# Altium PCB 891-萱250721-1.pcbdoc (part 3 of 5)
Units mil, origin at the board's own origin, x right, y up, seen from the top; angles counter-clockwise.
Board outline 6501 x 4678 mil, 4 copper layers (TopLayer, MidLayer1, MidLayer2, BottomLayer); 362 components, 337 nets, 1348 pads, 1372 vias.
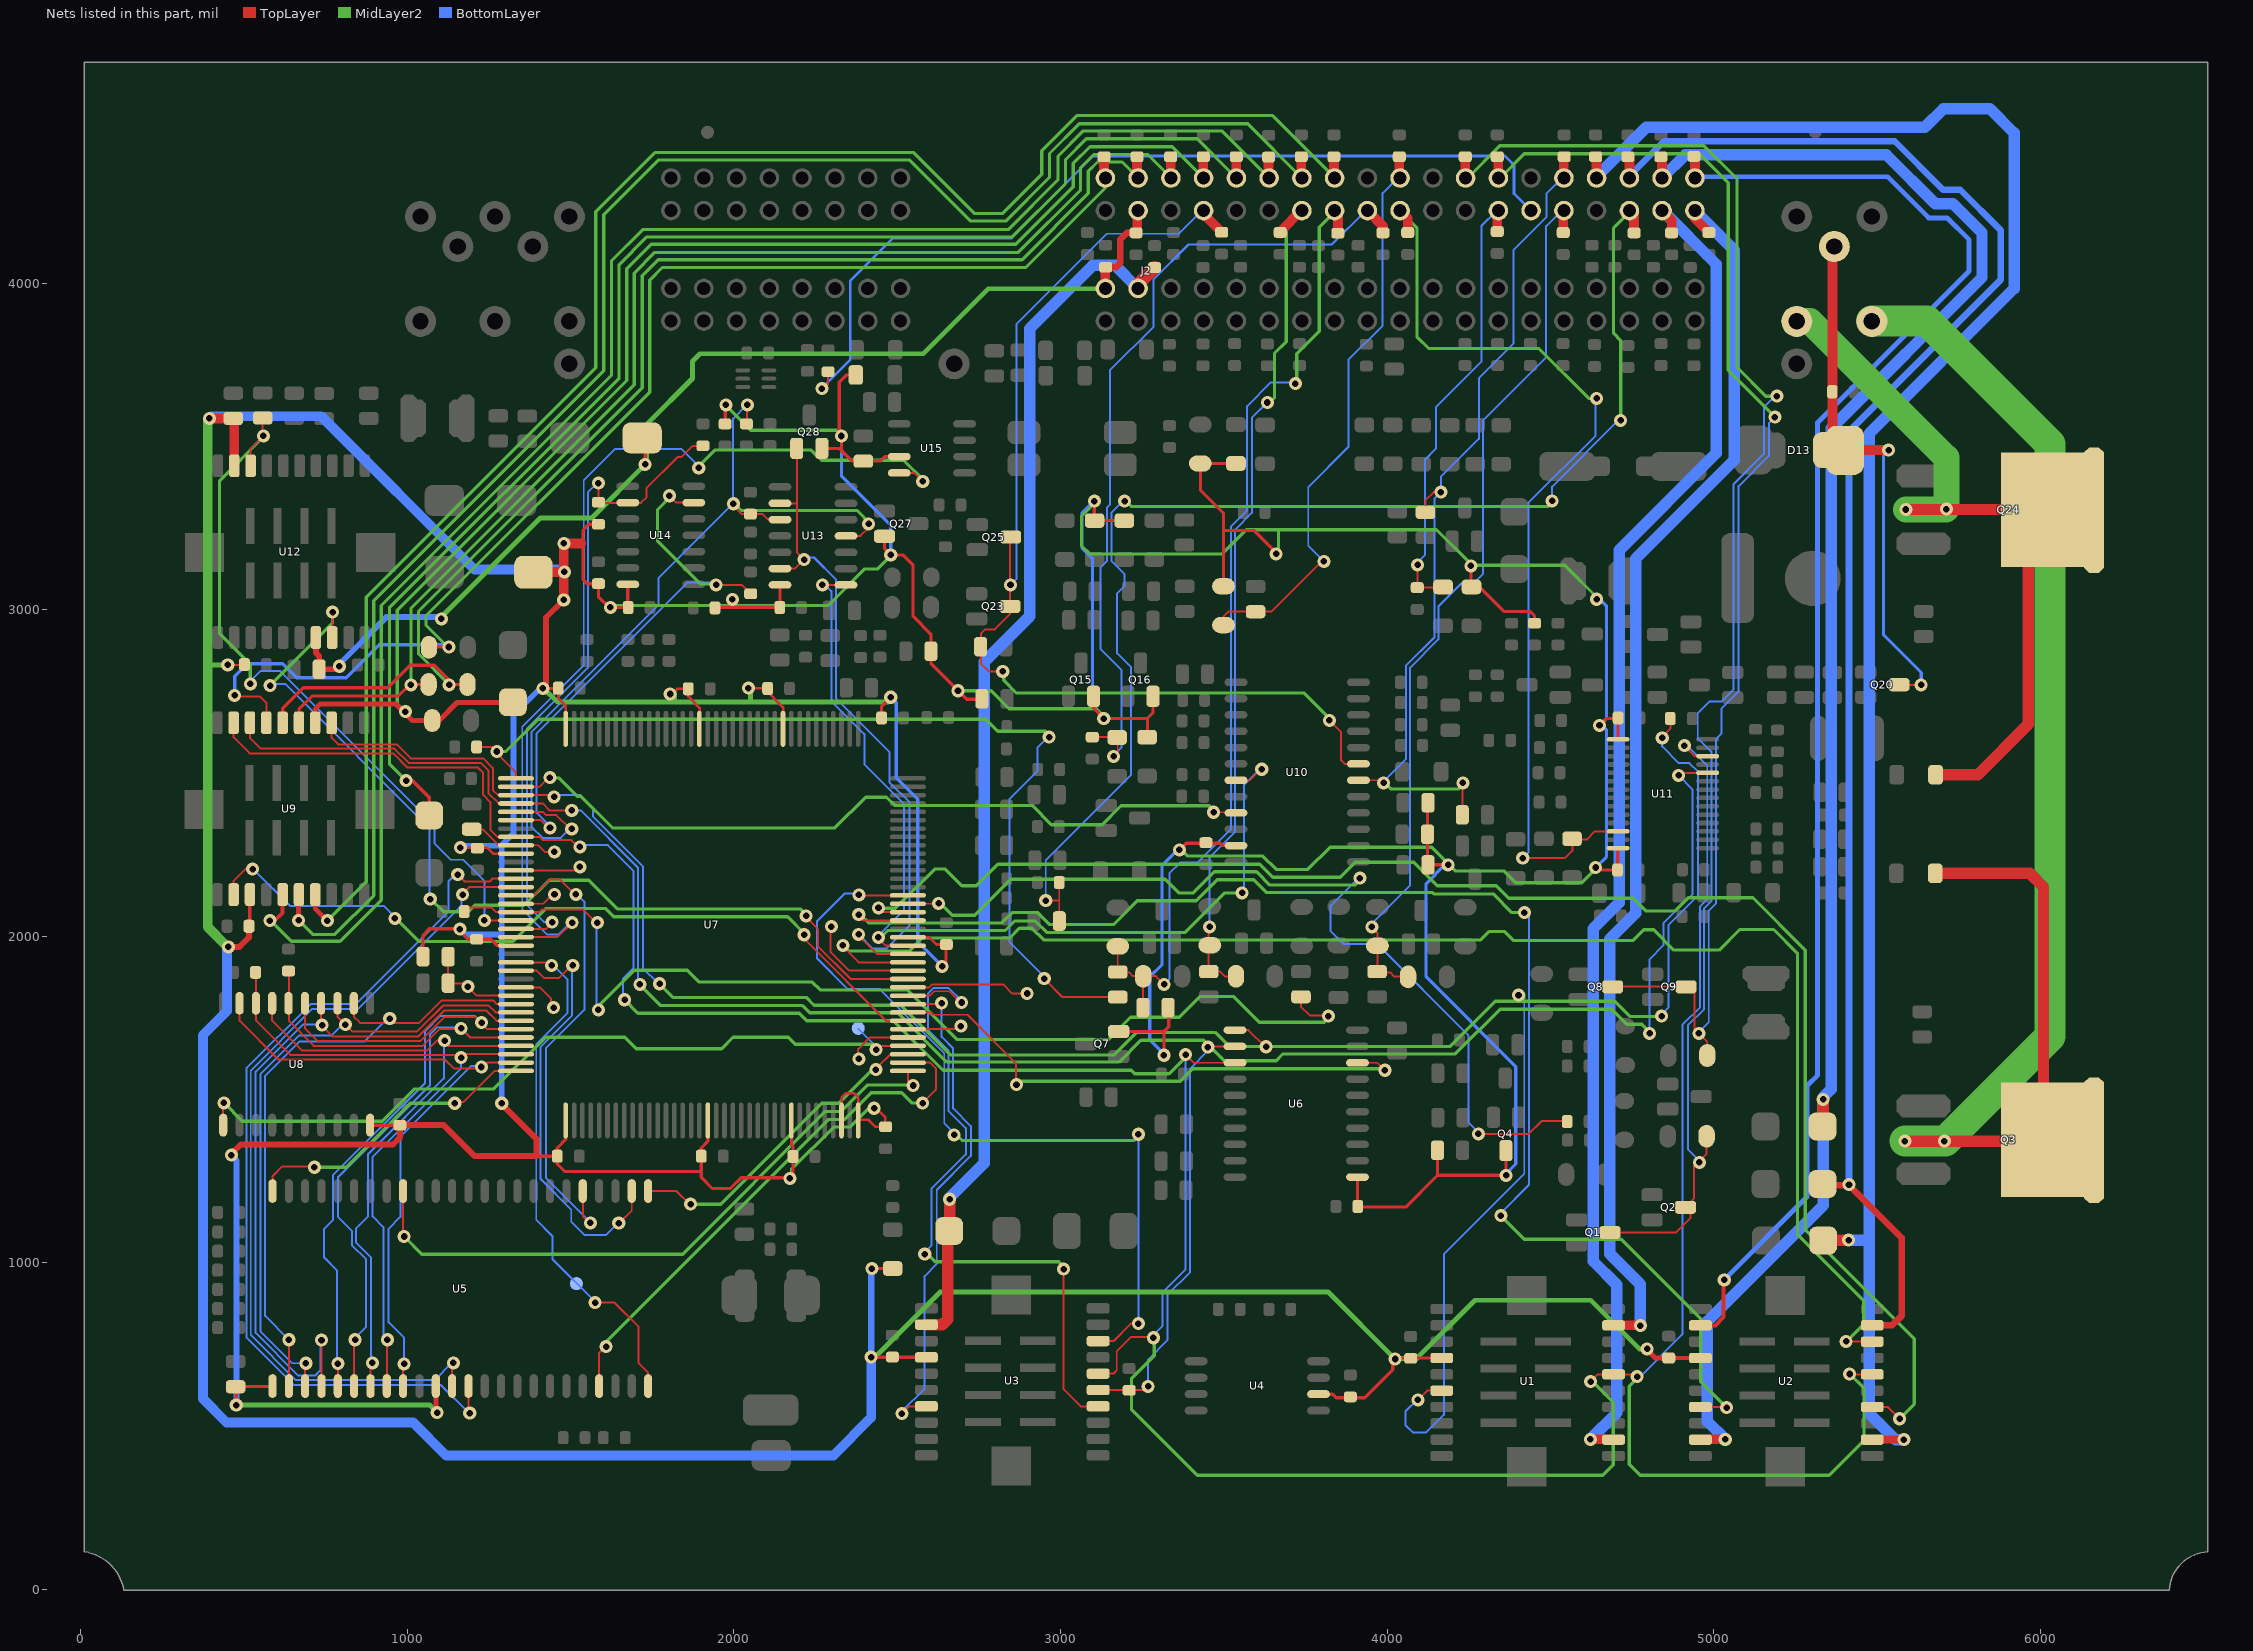
[diagram p5: the nets of this part, all layers, seen from the top]

## Via types
v1: diameter 40, hole 20, TopLayer to BottomLayer, 1372 vias

## Nets (pads, with @x,y where several pads share a name; then routed paths per layer and width w, separated by ;. In a path a pad name is that pad's centre, name@x,y a point inside that pad or via, vN(x,y) a via of type N, cw(c..) or ccw(c..) an arc to the next point about the centre after c; other vN are vias at no path point) (continued)
NewNet28: C103.1 D3.2 J2.37 U3.12 | length 3735.7
  TopLayer w35: U3.12@2589,811 2638,811 2655,828 2655,1102 2660,1107 v1(2660,1195)
  TopLayer w40: J2.37@3237.28,3984 3237.28,3997.28 C103.1@3288,4048
  BottomLayer w35: v1(2660,1195) 2660,1199.64 2766.24,1305.88 2766.24,2840.88 2905.41,2980.05 2905.41,3860.88 3098.74,4054.21 3167.06,4054.21 J2.37@3237.28,3984
NewNet29: C61.1 C78.1 C107.1 C115.2 J2.36 J2.64 U12.17 | length 3498
  TopLayer w10: C78.1@1719,3526 1728,3517 v1(1728,3445)
  TopLayer w18: U12.17@720,2915 720,2868 730,2858 C61.1@730,2818 783,2818 v1(792,2827)
  TopLayer w20: C107.1@3138,4049 3169.78,4049 3182.91,4062.13 3182.91,4133.8 3203.11,4154 C115.2@3231,4154
  TopLayer w30: J2.36@3137,3984 C107.1@3137,4048 ; C115.2@3231,4154 3234.58,4157.58 3234.58,4219.3 J2.64@3237.28,4222
  MidLayer2 w15: v1(1104,2972) 1104,2978 1407,3281 1564,3281 v1(1728,3445) 1733,3450 1733,3568 1873,3708 1873,3761 1896,3784 2579,3784 2778,3983 J2.36@3134,3983
  BottomLayer w18: v1(792,2827) 792,2834.14 935.41,2977.55 1098.45,2977.55 v1(1104,2972)
NewNet30: C123.2 J2.81 U1.9 | length 3826.8
  TopLayer w30: U1.9@4693,809 v1@4774,809 ; J2.81@4942,4222 4942,4198 C123.2@4985,4155
  BottomLayer w35: v1(4775,808) 4775,934.62 4681.24,1028.38 4681.24,1991.71 4760.41,2070.88 4760.41,3155.88 5062.91,3458.38 5062.91,4101.09 J2.81@4942,4222
NewNet31: C118.2 J2.80 U1.2 | length 4201.2
  TopLayer w30: v1(4622,460) U1.2@4692,460 ; J2.80@4841.72,4222 4871,4192.72 C118.2@4871,4154
  BottomLayer w35: v1(4622,460) 4702.91,540.91 4702.91,933.38 4630.41,1005.88 4630.41,2023.38 4710.41,2103.38 4710.41,3182.55 5007.08,3479.21 5007.08,4058.38 4843.46,4222 J2.80@4841.72,4222
NewNet32: C117.2 J2.79 R51.1 R56.1 | length 3961.1
  TopLayer w6: v1(2954.58,2109.21) 2994.99,2109.21 ; R51.1@2996,2047 2995.83,2047.17 2995.83,2164.83 R56.1@2996,2165
  TopLayer w30: J2.79@4741.44,4222 4756,4207.44 C117.2@4756,4154
  MidLayer2 w10: v1@3201,3333 3218,3316 4492,3316 v1@4510,3334 ; v1(4715,3580) 4715,3824 4693,3846 4693,4169 4741.44,4217.44 J2.79@4741.44,4222
  BottomLayer w6: v1(2954.58,2109.21) 2954.58,2233.38 3216.24,2495.05 3216.24,2823.38 3172.91,2866.71 3172.91,3050.05 3194.99,3072.13 3194.99,3110.05 3155.41,3149.63 3155.41,3297.55 3190.83,3332.96 v1(3196.24,3332.96) ; v1(4504.79,3333.17) 4504.79,3376.92 4707.86,3580 v1(4715,3580)
NewNet33: C122.2 J2.77 R36.2 R38.2 R48.1 | length 2769.5
  TopLayer w6: v1(3953,2029) 3953,2027.04 3970,2010.04 3970,1901.29 3981.66,1889.63 4008.74,1889.63 4021.66,1876.71 4063.29,1876.71 R38.2@4064,1876
  TopLayer w30: C122.2@4539,4155 4539,4220.11 J2.77@4540.89,4222
  BottomLayer w6: v1(3953,2029) 3953,2038.89 4069.99,2155.88 4069.99,2822.96 4156.66,2909.63 4156.66,3010.05 4227.49,3080.88 4264.99,3080.88 4293.74,3109.63 4293.74,3579.63 4486.66,3772.55 4486.66,4174.63 4534.03,4222 J2.77@4540.89,4222
NewNet34: J2.76 R153.1 | length 2795
  TopLayer w6: v1@2269,3671 2287.91,3689.91 2287.91,3728.91 R153.1@2288,3729
  BottomLayer w8: v1(2269.16,3677.13) 2269.16,3678.8 2356.24,3765.88 2356.24,4007.55 2485.83,4137.13 2847.91,4137.13 3099.99,4389.21 4360.41,4389.21 4388.33,4361.3 4388.33,4274.28 J2.76@4440.61,4222
NewNet35: C126.2 J2.75 R109.2 R117.1 | length 1399.9
  TopLayer w6: v1(4092.91,3137.13) 4092.91,3073.38 4097.49,3068.8 4169.8,3068.8 R109.2@4171,3070
  TopLayer w30: C126.2@4337,4158 4337,4218.67 J2.75@4340.33,4222
  BottomLayer w6: v1(4092.91,3137.13) 4092.91,3145.05 4115.83,3167.96 4115.83,3460.05 4148.74,3492.96 4148.74,3620.05 4288.33,3759.63 4288.33,4175.05 4335.28,4222 J2.75@4340.33,4222
NewNet36: C121.2 J2.72 R59.2 U11.12 | length 2955.9
  TopLayer w6: v1(4414.99,2239.63) 4543.33,2239.63 4567.49,2263.8 4567.49,2292.13 4571.66,2296.3 4610.41,2296.3 4635.62,2321.5 U11.12@4707,2321.5
  TopLayer w30: J2.72@4039.5,4222 4063,4198.5 C121.2@4063,4155
  MidLayer2 w10: J2.72@4039.5,4222 4039.5,4220.5 4091,4169 4091,3836 4127,3800 4464,3800 4617,3647 v1(4641,3647)
  BottomLayer w6: v1(4414.99,2239.63) 4432.08,2256.71 4432.08,3327.55 4637.91,3533.38 4637.91,3643.91 v1(4641,3647)
NewNet37: C116.2 J2.71 R77.1 R82.1 | length 2530.9
  TopLayer w6: R82.1@3097,2610 3164.21,2610 3174.99,2599.21 3174.99,2563.8 v1(3162.08,2550.88)
  TopLayer w30: J2.71@3939.22,4222 3987,4174.22 C116.2@3987,4154
  BottomLayer w6: v1(3162.08,2550.88) 3162.08,2555.05 3186.66,2579.63 3186.66,2815.05 3121.66,2880.05 3121.66,3129.21 3141.66,3149.21 3141.66,3312.55 3150.83,3321.71 3150.83,3733.38 3284.58,3867.13 3284.58,4011.3 3391.66,4118.38 3830.41,4118.38 3934.03,4222 J2.71@3939.22,4222
NewNet38: C114.2 J2.70 R31.1 R33.1 R39.1 R45.2 | length 3073.8
  TopLayer w6: R45.2@3174.99,1969.38 R33.1@3175,1891 3176.37,1889.63 3209.58,1889.63 3221.21,1878 3292,1878 v1(3317,1853) ; R31.1@3252,1782 3252,1877 R39.1@3253,1878
  TopLayer w30: J2.70@3838.94,4222 3849,4211.94 C114.2@3849,4153
  MidLayer2 w10: v1@3723,3689 3723,3784 3792,3853 3792,4171 3837.94,4216.94 J2.70@3837.94,4223
  BottomLayer w6: v1(3317,1853) 3332.91,1868.91 3332.91,2192.96 3365.83,2225.88 3418.74,2225.88 3522.08,2329.21 3522.08,3255.05 3571.24,3304.21 3571.24,3623.38 3644.16,3696.3 3714.99,3696.3 v1(3719.16,3692.13)
NewNet39: C124.2 J2.69 R34.2 R40.1 R50.1 | length 2642.1
  TopLayer w6: v1(3456,2029) 3453.33,2026.33 3453.33,1900.46 3461.66,1892.13 3488.33,1892.13 3503.74,1876.71 3535.71,1876.71 R40.1@3537,1878
  TopLayer w30: C124.2@3673,4152 3673,4158.47 3736.53,4222 J2.69@3738.67,4222
  MidLayer2 w10: v1@3638,3629 3638,3632 3655,3649 3655,3785 3691,3821 3691,4172 3737,4218 J2.69@3748,4218
  BottomLayer w6: v1(3456,2029) 3456,2241.89 3534.58,2320.46 3534.58,3245.26 3585.83,3296.51 3585.83,3587.55 v1(3632.91,3634.63)
NewNet40: C125.2 J2.66 Q23.3 Q25.3 R103.2 U10.7 | length 3420.3
  TopLayer w6: v1(2822.91,2811.3) 2779.99,2811.3 2756.24,2835.05 2756.24,2926.3 2769.99,2940.05 2798.74,2940.05 2844.99,2986.3 2844.99,3220.46 Q25.3@2854.58,3230.05 ; v1(3823,2661) 3859.16,2624.84 3859.16,2538.8 3869.96,2528 U10.7@3912,2528
  TopLayer w30: J2.66@3437.83,4222 3437.83,4211.79 3493,4156.62 C125.2@3493,4156
  MidLayer2 w10: v1@2826,2811 2826,2784 2865,2745 3746,2745 v1@3832,2659
  BottomLayer w6: v1(2846.66,3075.88) 2864.58,3093.8 2864.58,3874.21 3141.66,4151.3 3361.24,4151.3 3431.95,4222 J2.66@3437.83,4222
NewNet41: C142.1 J2.108 U2.12 | length 4675.6
  TopLayer w12: U2.12@4959,809 5005,809 5030,834 5030,946 v1(5032,948)
  TopLayer w30: J2.108@4942,4322 C142.1@4942,4385
  BottomLayer w15: J2.108@4942,4322 4945.88,4325.88 5532.08,4325.88 5657.91,4200.05 5714.16,4200.05 5781.66,4132.55 5781.66,4037.13 5317.91,3573.38 5317.91,1575.05 5286.24,1543.38 5286.24,1203.38 5032,949.14 v1(5032,948)
NewNet42: C141.1 D6.1 J2.107 U2.19 | length 5392.7
  TopLayer w30: J2.107@4841.72,4322 C141.1@4841.72,4383.28 ; U2.19@4960,460 v1(5035,460)
  TopLayer w35: D6.1@5335,1417.12 v1(5335,1501)
  BottomLayer w35: J2.107@4841.72,4322 4912.27,4392.55 5528.74,4392.55 5677.91,4243.38 5732.08,4243.38 5821.24,4154.21 5821.24,4017.55 5359.58,3555.88 5359.58,1532.55 5335,1507.97 5335,1176.3 4980.41,821.71 4980.41,514.59 v1(5035,460)
NewNet43: C140.1 D4.1 J2.106 U2.9 | length 5124.8
  TopLayer w20: D4.1@5332,1238 5414,1238 5575,1077 5575,838 5546,809 U2.9@5485,809
  TopLayer w30: J2.106@4741.44,4322 C140.1@4741.44,4382.56
  BottomLayer w20: J2.106@4741.44,4322 4741.44,4327.75 4847.91,4434.21 5553.74,4434.21 5702.08,4285.88 5754.58,4285.88 5877.91,4162.55 5877.91,4010.05 5414,3546.14 v1(5414,1240)
NewNet44: C139.1 D1.1 J2.105 U2.2 | length 5938.2
  TopLayer w25: U2.2@5485,459 v1(5582,459)
  TopLayer w30: J2.105@4641.17,4322 C139.1@4641.17,4383.83
  TopLayer w35: D1.1@5332.03,1070 v1(5413,1070)
  BottomLayer w35: J2.105@4641.17,4322 4641.17,4325.8 4792.91,4477.55 5646.24,4477.55 5702.91,4534.21 5845.41,4534.21 5919.58,4460.05 5919.58,3983.38 5475.41,3539.21 5475.41,540.05 5556.46,459 v1(5582,459) ; v1(5413,1070) 5467.96,1070
NewNet45: C138.1 J2.104 R70.2 R130.2 U10.6 | length 2676.8
  TopLayer w6: U10.6@3912,2478 3981,2478 v1(3989,2470) ; R130.2@4117,3298 4117,3334.97 4142.08,3360.05 v1(4164.58,3360.05) ; R70.2@4230,2372 4229.99,2468.38 v1(4231.66,2470.05)
  TopLayer w30: J2.104@4540.89,4322 C138.1@4540.89,4385.89
  MidLayer2 w10: v1@3994,2469 4012,2451 4218,2451 v1@4238,2471
  BottomLayer w6: v1@3989,2474.47 4057.49,2542.96 4057.49,2828.38 4144.16,2915.05 4144.16,3339.63 v1(4164.58,3360.05) 4164.58,3407.55 4280.41,3523.38 4280.41,3708.8 4387.08,3815.46 4387.08,4102.13 4488.33,4203.38 4488.33,4274.63 4535.7,4322 J2.104@4540.89,4322
NewNet46: C137.1 J2.102 Q8.3 Q9.3 R26.1 | length 4065.2
  TopLayer w6: Q8.3@4690,1845.5 4690.8,1846.3 4930.83,1846.3 4940.83,1836.3 4940.83,1716.71 4980,1677.54 R26.1@4980,1635
  TopLayer w30: J2.102@4340.33,4322 C137.1@4340.33,4383.67
  MidLayer2 w10: J2.102@4340.33,4322 4346,4322 4420,4396 4955,4396 5044,4307 5044,3734 5187,3591 v1(5187,3590)
  BottomLayer w6: v1(4954.58,1702.96) 4954.58,1706.71 4984.58,1736.71 4984.58,2078.38 5006.24,2100.05 5006.24,2603.8 5023.74,2621.3 5023.74,2697.96 5075.83,2750.05 5075.83,3378.38 5168.33,3470.88 5168.33,3571.33 v1(5187,3590)
NewNet47: C136.1 J2.101 Q1.3 Q2.3 R18.1 | length 4797.6
  TopLayer w6: Q1.3@4682,1093.5 4884.5,1093.5 4929,1138 4929,1154.5 Q2.3@4913,1170.5 4940,1197.5 4940,1297 4978,1335 R18.1@4978,1388
  TopLayer w30: C136.1@4239,4387 4239,4323.05 J2.101@4240.05,4322
  MidLayer2 w10: J2.101@4240.05,4322 4246,4322 4345,4421 4969,4421 5071,4319 5071,3742 5159,3654 v1(5193,3654)
  BottomLayer w6: v1(4956,1308) 4956,1313 4920.41,1348.59 4920.41,1727.55 4970.41,1777.55 4970.41,2086.09 4992.49,2108.17 4992.49,2565.46 4950.83,2607.13 4950.83,2683.38 4987.08,2719.63 5024.16,2719.63 5060.83,2756.3 5060.83,3385.05 5153.33,3477.55 5153.33,3620.46 5186.86,3654 v1(5193,3654)
NewNet48: C135.1 J2.99 R108.2 R115.1 | length 1783.7
  TopLayer w6: R108.2@3499,2953 3499,2979.89 3513.33,2994.21 3645.41,2994.21 3799.2,3148 v1(3806,3148)
  TopLayer w30: C135.1@4037,4387 4037,4324.5 J2.99@4039.5,4322
  BottomLayer w6: v1(3806,3148) 3758.33,3195.67 3758.33,3375.46 3881.24,3498.38 3881.24,3765.05 3986.24,3870.05 3986.24,4275.46 4032.78,4322 J2.99@4039.5,4322
NewNet49: C134.1 J2.97 U9.17 | length 5331.7
  TopLayer w15: U9.17@718,2128 718,2085 v1(755,2048)
  TopLayer w30: C134.1@3837,4387 3837,4323.94 J2.97@3838.94,4322
  MidLayer2 w10: v1(755,2048) 874,2167 874,3038 1577,3741 1577,4219 1758,4400 2550,4400 2737,4213 2822,4213 2942,4333 2942,4405 3050,4513 3649,4513 3837.94,4324.06 J2.97@3837.94,4323
NewNet50: C133.1 J2.96 U9.16 | length 5327.4
  TopLayer w15: v1(667,2049) U9.16@667,2119
  TopLayer w30: C133.1@3737,4387 3737,4323.67 J2.96@3738.67,4322
  MidLayer2 w10: v1(667,2049) 710,2006 778,2006 897,2125 897,3028 1601,3732 1601,4210 1768,4377 2538,4377 2725,4190 2832,4190 2966,4324 2966,4397 3057,4488 3573,4488 3737.67,4323.33 J2.96@3737.67,4323
NewNet51: C127.1 J2.95 U9.15 | length 5116.2
  TopLayer w12: v1(579,2048) 594,2048 617,2071 U9.15@617,2127
  TopLayer w30: C127.1@3637,4386 3637,4323.39 J2.95@3638.39,4322
  MidLayer2 w10: v1(579,2048) 582,2048 645,1985 794,1985 920,2111 920,3013 1625,3718 1625,4069 1720,4164 2840,4164 2992,4316 2992,4389 3069,4466 3494,4466 3637,4323 J2.95@3637.39,4323
NewNet52: C132.1 D8.1 J2.94 | length 4245.5
  TopLayer w12: v1(996,2477) 1015,2477 1067,2425 D8.1@1067,2370
  TopLayer w30: C132.1@3538,4387 3538,4322.11 J2.94@3538.11,4322
  MidLayer2 w10: v1(996,2477) 945,2528 945,3006 1648,3709 1648,4057 1732,4141 2851,4141 3015,4305 3015,4378 3079,4442 3418,4442 3537,4323 J2.94@3537.11,4323
NewNet53: C131.1 D10.1 J2.93 R87.2 U9.4 | length 4420.6
  TopLayer w15: U9.4@718,2654 718,2697 732,2711 965,2711 1015,2661 1097,2661 1152,2716 D10.1@1322,2716
  TopLayer w30: C131.1@3437,4387 3437,4322.83 J2.93@3437.83,4322
  MidLayer2 w10: v1(994,2688) 969,2713 969,2999 1672,3702 1672,4044 1747,4119 2863,4119 3039,4295 3039,4367 3090,4418 3342,4418 3436.83,4323.17 J2.93@3436.83,4323
NewNet54: C130.1 J2.92 R97.2 U9.5 | length 3942.8
  TopLayer w10: U9.5@668,2654 668,2696 708,2736 972,2736 1007,2771 R97.2@1065,2771
  TopLayer w30: C130.1@3337,4387 3337,4322.56 J2.92@3337.56,4322
  MidLayer2 w10: v1(1011,2770) 1011,3005 1695,3689 1695,4031 1758,4094 2871,4094 3061,4284 3061,4354 3101,4394 3267,4394 3336.56,4324.44 J2.92@3336.56,4323
NewNet55: C129.1 J2.91 R97.1 U9.6 | length 4061.3
  TopLayer w10: U9.6@618,2654 618,2698 681,2761 940,2761 1009,2830 1082,2830 1128,2784 v1(1128,2770) 1129,2771 R97.1@1184,2771
  TopLayer w30: C129.1@3234,4387 3234,4325.28 J2.91@3237.28,4322
  MidLayer2 w10: v1(1128,2770) 1128,2771 1034,2865 1034,2995 1719,3680 1719,4023 1768,4072 2882,4072 3085,4275 3085,4343 3113,4371 3188.28,4371 J2.91@3236.28,4323
NewNet56: C128.1 J2.90 R102.2 U9.7 | length 4068.5
  TopLayer w6: v1(471,2738) 475,2734 549,2734 568,2715 U9.7@568,2654
  TopLayer w10: R102.2@1067,2886 v1(1127,2886)
  TopLayer w30: C128.1@3133,4387 3133,4326 J2.90@3137,4322
  MidLayer2 w10: v1(1127,2886) 1123,2886 1057,2952 1057,2981 1742,3666 1742,4009 1781,4048 2894,4048 3136,4290 J2.90@3136,4323
  BottomLayer w10: v1(471,2738) 471,2796.47 509.58,2835.05 617.91,2835.05 661.24,2791.71 812.91,2791.71 913.74,2892.55 1120.45,2892.55 v1(1127,2886)
NewNet57: J2.110 Q24.2 R76.2 | length 2293.3
  TopLayer w35: v1(5588,3307) 6018,3307 Q24.2@6019,3306 ; R76.2@5679,2495 5808.7,2495 5962.91,2649.21 5962.91,3213.38 Q24.2@5987.91,3238.38
  MidLayer2 w80: J2.110@5253,3884 5294,3884 5712,3466 v1(5712,3308) 5711,3307 v1(5588,3307)
NewNet58: C87.1 D13.2 J2.112 Q20.3 | length 1628.9
  TopLayer w6: Q20.3@5565.36,2770 v1(5635,2770)
  TopLayer w30: J2.112@5369,4112 5363.74,4106.74 5363.74,3506.71 5381.46,3489 v1(5535,3489)
  BottomLayer w10: v1(5535,3489) 5519.58,3473.58 5519.58,2923.38 5635,2807.96 v1(5635,2770)
NewNet59: J2.114 Q3.2 R60.2 | length 4478.9
  TopLayer w35: v1(5585,1373) Q3.2@5919.96,1373 ; R60.2@5678,2193 5967.46,2193 6009.58,2150.88 Q3.2@6009.58,1450.05
  MidLayer2 w95: J2.114@5483,3884 5653,3884 6030,3507 6030,1694 5709,1373 v1(5585,1373)
  other v1: 5706,1373
NewNet60: U5.24 U7.108 | length 927
  TopLayer w6: U5.24@587,1220 587,1266 616,1295 713,1295 v1(715,1293) ; v1(1145,1489) 1149,1493 1172,1493 1267,1588 U7.108@1333,1588
  MidLayer2 w10: v1(715,1293) 813,1293 1009,1489 v1(1145,1489)
NewNet61: U5.33 U7.107 U8.9 | length 2106.9
  TopLayer w6: U8.9@486,1795 486,1741 604,1623 1115,1623 1142,1596 1227,1596 1231,1600 1244.59,1613.59 U7.107@1333,1613.59 ; U5.33@987,623 987,688 v1(990,691)
  BottomLayer w6: v1(990,691) 990,770.87 942.49,818.38 942.49,1104.63 978.74,1140.88 978.74,1387.13 1194.58,1602.96 1223.74,1602.96 v1(1226.66,1600.05)
NewNet62: R41.2 U5.32 U7.106 U8.8 | length 2133.4
  TopLayer w6: R41.2@535,1890 536,1889 536,1743 642,1637 1159,1637 1167,1629 1177.18,1639.18 U7.106@1333,1639.18 ; U5.32@937,623 937,763 v1(939,765)
  BottomLayer w6: v1(939,765) 926.66,777.34 926.66,1110.05 893.74,1142.96 893.74,1325.05 1164.58,1595.88 v1(1164.58,1628.8)
NewNet63: U5.31 U7.105 U8.7 | length 2057.2
  TopLayer w6: U8.7@586,1795 586,1742 678,1650 1059,1650 1090,1681 1110,1681 1126.23,1664.77 U7.105@1333,1664.77 ; U5.31@887,623 887,688 v1(893,694)
  BottomLayer w6: v1(893,694) 888.74,698.26 888.74,1016.3 842.91,1062.13 842.91,1105.88 878.74,1141.71 878.74,1332.13 1111.66,1565.05 v1@1111.66,1687.96
  other v1: 1114.16,1680.88
NewNet64: R42.1 U5.30 U7.104 U8.6 | length 2263.1
  TopLayer w6: R42.1@636,1894 637,1893 637,1741 713,1665 1047,1665 1098,1716 1167,1716 1192.64,1690.36 U7.104@1333,1690.36 ; U5.30@837,623 837,762 v1(840,765)
  BottomLayer w6: v1(840,765) 840,771.3 873.74,805.05 873.74,1010.88 829.99,1054.63 829.99,1097.96 787.08,1140.88 787.08,1261.71 1068.74,1543.38 1068.74,1698.8 1091.66,1721.71 1160.83,1721.71 v1(1164.58,1717.96)
NewNet65: U5.29 U7.103 U8.5 | length 2220
  TopLayer w6: U8.5@686,1795 686,1719 726,1679 1039,1679 1113,1753 1209,1753 1226,1736 1226,1735 1245.05,1715.95 U7.103@1333,1715.95 ; U5.29@787,623 v1(787,692)
  BottomLayer w6: v1(787,692) 784.99,694.01 784.99,976.71 744.99,1016.71 744.99,1104.21 771.66,1130.88 771.66,1268.38 1053.95,1550.67 1053.95,1709.84 1100.83,1756.71 1206.66,1756.71 v1(1227.49,1735.88)
NewNet66: U5.28 U7.102 U8.4 | length 2282.2
  TopLayer w6: U8.4@736,1795 736,1728 770,1694 1034,1694 1113,1773 1242,1773 1273.46,1741.54 U7.102@1333,1741.54 ; U5.28@737,623 v1(737,764)
  BottomLayer w6: v1(737,764) 733.33,760.33 733.33,671.3 717.08,655.05 666.24,655.05 535.2,786.09 535.2,1585.67 679.58,1730.05 736.95,1730.05 v1(739,1728)
NewNet67: U5.27 U7.101 U8.3 | length 2006.1
  TopLayer w6: U5.27@687,623 v1@687,691 ; U8.3@786,1795 786,1754 831,1709 1030,1709 1109,1788 1249,1788 1269.87,1767.13 U7.101@1333,1767.13
  BottomLayer w6: v1(689,693) 647.46,693 549.99,790.46 549.99,1578.38 667.49,1695.88 767.08,1695.88 801.2,1730 v1(810,1730)
NewNet68: U5.26 U7.100 U8.2 | length 2012.2
  TopLayer w6: U5.26@637,623 v1(637,765) ; U8.2@836,1795 836,1754 855,1735 1036,1735 1104,1803 1264,1803 1274.28,1792.72 U7.100@1333,1792.72
  BottomLayer w6: v1(637,765) 637,765.54 564.58,837.96 564.58,1572.96 670.41,1678.8 869.58,1678.8 938.78,1748 v1(946,1748)
NewNet69: R37.1 R43.1 U7.99 | length 306.4
  TopLayer w6: R43.1@1125,1938 R37.1@1125,1857 ; U7.99@1333,1818.31 1211.69,1818.31 1180,1850 1174,1856 R37.1@1126,1856 ; R37.1@1125,1857 R37.1@1126,1856 ; R37.1@1125,1857 R37.1@1126,1856
  other v1: 1185.41,1845.88
NewNet70: U7.98 | length 151.8
  TopLayer w6: U7.98@1333,1843.91 1405.09,1843.91 1440,1809 1440,1790 v1(1448,1782)
NewNet71: U5.2 U7.96 | length 1353.5
  TopLayer w6: U7.96@1333,1895.09 1395.91,1895.09 1418,1873 1465,1873 1502,1910 v1@1510,1910 ; v1@1651,1124 1687,1160 U5.2@1687,1220
  BottomLayer w6: v1(1506.24,1911.3) 1504.58,1909.63 1504.58,1758.38 1407.91,1661.71 1407.91,1257.13 1501.66,1163.38 1501.66,1126.71 1542.08,1086.3 1608.74,1086.3 1644.58,1122.13 v1(1647.08,1122.13)
NewNet72: pad.1@1517.49,936.71 U5.48 U7.95 | length 1639.7
  TopLayer w6: U7.95@1333,1920.68 1435.32,1920.68 v1@1445,1911 ; v1@1578,879 1634,879 1707,806 1707,694 1737,664 U5.48@1737,623
  BottomLayer w6: v1(1441.66,1910.88) 1447.08,1910.88 1489.58,1868.38 1489.58,1764.63 1394.58,1669.63 1394.58,1132.13 1444.16,1082.55 1444.16,1012.13 1574.58,881.71 v1(1574.58,878.8)
NewNet73: C1.1 C3.1 C4.1 C5.2 C6.2 C9.1 C11.1 C12.1 C13.1 C14.2 C15.2 C19.1 C20.1 C21.1 C28.2 C30.2 C31.1 C50.2 C56.1 C57.1 C58.1 C70.1 C71.1 C73.1 C77.1 C83.1 Q4.3 Q7.2 Q15.2 Q16.2 Q27.2 Q28.2 R7.2 R17.2 R31.2 R43.2 R63.1 R67.1 R71.1 R78.1 R90.1 R91.2 R99.1 R101.1 R105.2 R108.1 R110.2 R118.2 R122.2 R124.1 R125.1 R131.2 R135.2 R143.2 R145.1 R151.1 U1.14 U2.14 U3.14 U4.2 U5.25 U5.35 U6.1 U7.17 U7.46 U7.56 U7.72 U7.82 U7.93 U7.109 U7.126 U7.136 U7.142 U7.144 U8.20 U9.13 U10.23 U11.1 U11.14 U12.9 U13.14 U14.14 U15.3 | length 36122.5
  TopLayer w6: v1(450,2831) R99.1@499,2831
  TopLayer w8: v1(1162,2272) 1163,2271 1245,2271 1262.65,2253.35 U7.82@1333,2253.35 ; v1(1415,2759) 1461,2759 C58.1@1462,2760 1462,2729 1485.17,2705.83 U7.72@1485.17,2635.33 ; v1@1810,2741 1827,2758 C56.1@1860,2758 1860,2734 1894.61,2699.39 U7.56@1894.61,2635.33 ; C13.1@1900,1327 1900,1352 1920.2,1372.2 U7.126@1920.2,1436.33 ; v1@2050,2760 2092,2760 2150.52,2701.48 U7.46@2150.52,2635.33 ; U7.142@2329.65,1436.33 2329.65,1506.65 2343,1520 2368,1520 2380.83,1507.17 2380.83,1439.17 2382,1438 2412,1438 2433,1417 C14.2@2464,1417 2463,1418 2463,1447 2437.04,1472.96 2435.04,1472.96 v1@2434,1474 ; U7.17@2533,1997.45 2597.55,1997.45 2620,1975 C20.1@2650,1975 2649,1974 2649,1917 v1@2640,1908
  TopLayer w10: v1(476,565) 476,618 480,622 586,622 U5.25@587,623 ; C21.1@515,2031 517,2033 517,2127 U9.13@518,2128 ; U8.20@886,1422 C15.2@977,1422 ; R43.2@1048,1938 1048,2004 1067,2023 1155,2023 1187,1991 1256,1991 1275.14,1971.86 U7.93@1333,1971.86 ; 1384,1327 C12.1@1459,1327 ; U7.109@1485.17,1436.33 1485.17,1378.17 1459,1352 1459,1303 1482,1280 1899,1280 ; R131.2@1585,3262 1555.7,3262 1537.91,3244.21 1537.91,3092.55 1550.46,3080 R122.2@1585,3080 1585,3039.62 1617.49,3007.13 1669.16,3007.13 1675,3012.97 U14.14@1675,3078 ; U7.126@1920.2,1436.33 1920.2,1372.2 1900,1352 C13.1@1900,1327 1900,1262 1934,1228 1989,1228 2022,1261 v1@2174,1261 ; R118.2@1942,3006 1943.55,3007.55 2139.45,3007.55 C71.1@2140,3007 2141,3008 U13.14@2141,3076 ; R145.1@1973,3569 1973,3621.8 v1@1975.41,3624.21 ; v1@2176,1259 v1@2174,1261 ; U7.136@2176.11,1436.33 2176.11,1360.89 2181,1356 2181,1268 v1@2174,1261 ; Q28.2@2269,3494 2322.29,3494 2360.41,3455.88 ; R151.1@2373,3719 2344.78,3719 2322.08,3696.3 2322.08,3538.92 v1(2329,3532) 2329,3487.29 2360.41,3455.88 ; v1(2420,712) 2421,711 U3.14@2589,711 ; v1(2422,983) R7.2@2486,983 ; R90.1@2452,2669 2452,2704.14 v1(2479.99,2732.13) ; Q27.2@2461,3225 2461,3187 2480.04,3167.96 2516.66,3167.96 2548.33,3136.3 2548.33,2979.63 2603,2924.96 2603,2835.79 2712.49,2726.3 2758.3,2726.3 R91.2@2759,2727 ; U15.3@2506,3469 2461.45,3469 2448.33,3455.88 2360.41,3455.88 ; Q15.2@3101,2735 3101,2697.79 3131.66,2667.13 3265.83,2667.13 ; v1(3103.33,3332.96) 3103.33,3281.71 3111.66,3273.38 3194.62,3273.38 R125.1@3195,3273 ; Q7.2@3178,1709 3316.86,1709 ; R78.1@3265.83,2605.88 3265.83,2667.13 ; Q16.2@3283,2735 3283,2684.3 3265.83,2667.13 ; v1(3316,1636) 3316.86,1636.86 3316.86,1709 ; R31.2@3329,1782 3330.83,1780.17 3330.83,1722.96 3316.86,1709 ; v1(3364,2265) 3364.95,2265 3385.41,2285.46 3488.74,2285.46 3496.21,2278 U10.23@3537,2278 ; R108.1@3499,3072 3498.74,3072.26 3498.74,3295.46 3428.33,3365.88 3428.33,3447.67 R135.2@3428,3448 R143.2@3537,3448 ; 3499.58,3242.96 3592.08,3242.96 3659.99,3175.05 v1(3659.99,3170.88) ; U4.2@3790,598.33 3832.67,598.33 3844,587 3931,587 4017,673 4017,699 v1(4024,706) 4027,709 U1.14@4167,709 ; U6.1@3909,1263 3909,1176.04 3913.74,1171.3 4057.08,1171.3 4154,1268.22 ; R71.1@4125,2409 4123.74,2407.74 4123.74,2229.21 4133.74,2219.21 4185.83,2219.21 v1(4186.24,2218.8) ; R17.2@4154,1345 4154,1268.22 ; v1(4256.24,3134.21) 4256.24,3083.38 4273.74,3065.88 4286.66,3065.88 4357.49,2995.05 4437.08,2995.05 4451,2981.12 R105.2@4451,2959 ; Q4.3@4363.5,1344 4363.5,1268.5 v1(4364,1268) 4363.78,1268.22 4154,1268.22 ; v1(4638.33,2210.88) 4645.83,2203.38 4704.62,2203.38 C28.2@4705,2203 4705.83,2203.83 4705.83,2269.15 U11.14@4707,2270.32 ; v1(4650,2646) 4671.13,2667.13 4705.13,2667.13 C50.2@4707,2669 U11.1@4707,2603
  TopLayer w12: C5.2@4856,709 U2.14@4959,709
  TopLayer w15: U5.35@1087,623 1087,546 v1(1091,542) ; v1(4796,737) 4796,734 4821,709 C5.2@4862,709
  TopLayer w18: v1(452,1968) 486,1968 515,1997 C21.1@515,2031 ; v1(461,1330) 461,1334 490,1363 956,1363 977,1384 C15.2@977,1422 1111,1422 1206,1327 1394,1327 1395,1328 1395,1380 1289,1486 v1(1289,1489) ; v1(1415,2759) 1424.58,2768.58 1424.58,2976.3 1478.33,3030.05 v1(1478.74,3030.05)
  TopLayer w20: 1995,3011.71 v1(1995,3032)
  TopLayer w30: v1(394,3586) C83.1@467,3586 470,3583 U12.9@470,3441 ; C73.1@1389.58,3115.88 v1(1480.41,3115.88) ; v1(1478.74,3030.05) 1478.74,3202.96 1479.16,3202.55 1531.66,3202.55
  MidLayer2 w10: v1@1627,3007 1633,3013 2288,3013 2400,3125 2440,3125 2486,3171 v1@2487,3171 ; v1@1980,3624 1980,3621 2051,3550 2313,3550 v1@2333,3530 ; v1@2001,3015 v1@2001,3032 ; v1@2176,1259 2176,1287 2305,1416 2355,1416 2413,1474 v1@2434,1474 ; v1@2693,2752 2787,2752 2842,2697 3110,2697 v1@3140,2667 ; v1@3111,3333 3064,3286 3064,3196 3089,3171 3495,3171 3569,3245 4151,3245 4260,3136 4544,3136 v1@4647,3033 ; v1@3371,2265 3390,2246 3619,2246 3660,2205 3757,2205 3825,2273 4137,2273 4210,2200 4358,2200 4394,2164 4596,2164 v1@4643,2211 ; v1@3667,3173 3667,3243
  MidLayer2 w15: 388,2831 v1(450,2831) ; v1(476,565) 1068,565 v1(1091,542) ; v1(1415,2759) 1418,2759 1460,2717 2472,2717 v1@2486,2731 ; 2050,2720 v1@2050,2760 ; v1(2420,712) 2432,712 2631,911 3819,911 4022,708 4091,708 4269,886 4623,886 4772,737 v1@4801,737
  MidLayer2 w30: v1(394,3586) 389,3581 389,2028 449,1968 v1(452,1968) ; v1@1810,2727 v1@1810,2741
  BottomLayer w10: v1(2329,3532) 2329,3410.21 2479.99,3259.21 v1(2480,3168) ; v1(2479.99,2732.13) 2497.08,2715.05 2497.08,2485.46 2562.91,2419.63 2562.91,1983.38 2637.49,1908.8 v1(2637.49,1907.96) ; v1(3103.33,3332.96) 3101.24,3332.96 3065.83,3297.55 3065.83,3188.8 3097.91,3156.71 3097.91,2705.46 3132.08,2671.3 v1(3132.08,2666.71) ; v1(3316,1636) 3316,1640.29 3272.91,1683.38 3272.91,1875.88 3310.83,1913.8 3310.83,2217.55 3358.28,2265 v1(3364,2265) ; v1(4186.24,2218.8) 4176.66,2218.8 4119.16,2161.3 4119.16,1875.88 4393.74,1601.3 4393.74,1302.96 4364,1273.22 v1(4364,1268) ; v1(4638.33,2210.88) 4671.66,2244.21 4671.66,2630.88 4656.54,2646 v1(4650,2646) 4671.66,2667.66 4671.66,3010.88 4650.41,3032.13 v1(4641.24,3032.13)
  BottomLayer w18: v1(461,1330) 477.08,1313.92 477.08,566.08 v1(476,565) ; v1(1161,2022) 1177.12,2005.88 1288.33,2005.88 ; v1(1162,2272) 1167.55,2277.55 1287.08,2277.55 1289,2279.47 ; v1(1289,1489) 1289,2279.47 ; v1(1415,2759) 1406.03,2759 1324.58,2677.55 1324.58,2315.05 1289,2279.47
  BottomLayer w20: v1(2420,712) 2420,981 v1(2422,983)
  BottomLayer w30: v1(394,3586) 400.55,3592.55 736.24,3592.55 1205.41,3123.38 1472.91,3123.38 v1(1480.41,3115.88) ; v1(452,1968) 447.91,1963.91 447.91,1771.71 373.74,1697.55 373.74,584.21 446.24,511.71 1017.91,511.71 1118.74,410.88 2304.58,410.88 2420,526.3 v1(2420,712)
  other v1: 2171,1259 2429.16,1473.8 1804.58,2742.13 2685.83,2752.13 2044.16,2760.05 1621.66,3007.55 1479.16,3203.38 1975.41,3627.13
NewNet74: U7.92 U15.4 | length 3043.4
  TopLayer w6: U7.92@1333,1997.45 1459.45,1997.45 1504,2042 v1@1508,2042 ; U15.4@2506,3419 2552,3419 v1(2578,3393)
  MidLayer2 w10: v1@1898,3432 1898,3446 1941,3489 2237,3489 2268,3458 2519,3458 v1@2584,3393
  BottomLayer w6: v1(1504.16,2042.13) 1499.16,2042.13 1462.49,2005.46 1428.74,2005.46 1351.66,2082.55 1351.66,2641.3 1539.99,2829.63 1539.99,3396.71 1634.99,3491.71 1839.58,3491.71 1892.08,3439.21 v1(1892.08,3434.63)
NewNet75: R131.1 R144.2 U7.91 U14.9 | length 2069.9
  TopLayer w6: U7.91@1333,2023.04 1425.04,2023.04 v1@1446,2044 ; v1(1585,3388) 1585,3336.29 1594.16,3327.13 1714.58,3327.13 1732.49,3345.05 1732.49,3372.96 1827.08,3467.55 1839.16,3467.55 1873.61,3502 R144.2@1905,3502
  BottomLayer w6: v1(1443.33,2043.8) 1418.33,2043.8 1365.83,2096.3 1365.83,2635.05 1552.91,2822.13 1552.91,3359.63 1581.28,3388 v1(1585,3388)
NewNet76: R149.1 U7.90 U12.8 | length 2271.8
  TopLayer w6: U12.8@520,3441 519,3442 519,3492 557,3530 R149.1@557,3587 ; v1@1237,2049 1237.37,2048.63 U7.90@1333,2048.63
  MidLayer2 w10: v1(519,2773) 519,2833 425,2927 425,3395 559,3529 v1@559,3535
  BottomLayer w6: v1(519,2773) 519,2781.14 549.99,2812.13 611.24,2812.13 1082.91,2340.46 1082.91,2285.05 1133.33,2234.63 1171.24,2234.63 1235.83,2170.05 v1(1235.83,2049.21)
  other v1: 559.16,3532.13
NewNet77: C24.1 R35.1 U7.89 | length 3317.3
  TopLayer w6: C24.1@1174,2076 1187,2089 1257,2089 1271.78,2074.22 U7.89@1334,2074.22 ; U7.89@1333,2074.22 1404.22,2074.22 1412,2082 1538,2082 1578,2042 v1(1582,2042) ; R35.1@3736,1815 3736,1784.87 3763.74,1757.13 3818.87,1757.13 v1(3820,1756)
  MidLayer2 w10: v1(1585,1775) 1585,1786 1695,1896 1857,1896 1893,1860 2240,1860 2264,1836 2531,1836 2683,1684 3146,1684 3214,1752 3364,1752 3428,1816 3529,1816 3608,1737 3807,1737 v1@3826,1756
  BottomLayer w6: v1(1582,2042) 1579.58,2039.58 1579.58,1780.42 v1(1585,1775)
NewNet78: U7.88 | length 131.1
  TopLayer w6: U7.88@1333,2099.81 1415.81,2099.81 1445,2129 v1@1452,2129
  other v1: 1450.41,2128.8
NewNet79: U5.5 U7.87 | length 1459.6
  TopLayer w6: U7.87@1333,2125.4 1387.4,2125.4 1436,2174 1468,2174 1514,2128 v1@1518,2128 ; U5.5@1537,1220 1537,1143 1557,1123 v1@1564,1123
  BottomLayer w6: v1(1515.83,2128.38) 1519.58,2128.38 1541.66,2106.3 1541.66,1775.05 1424.99,1658.38 1424.99,1259.63 1560.41,1124.21 v1(1560.41,1122.55)
NewNet80: U5.36 U7.86 | length 2646.2
  TopLayer w6: U5.36@1137,623 1137,690 v1(1141,694) ; v1@1170,2128 1170,2132 1188.99,2150.99 U7.86@1333,2150.99
  BottomLayer w6: v1(1141,694) 1136.03,694 1083.33,641.3 658.74,641.3 520.41,779.63 520.41,1589.21 709.16,1777.96 849.16,1777.96 1166.24,2095.05 1166.24,2125.26 v1(1168.95,2127.96)
NewNet81: U5.37 U7.85 | length 2825.4
  TopLayer w6: v1@1155,2189 1176,2168 1252,2168 1260.58,2176.58 U7.85@1333,2176.58 ; U5.37@1187,623 1187,544 v1(1191,540)
  BottomLayer w6: v1(1154.16,2189) 1146.45,2189 1125.41,2167.96 1125.41,2075.88 842.08,1792.55 703.74,1792.55 507.08,1595.88 507.08,772.13 652.91,626.3 1102.91,626.3 1189.21,540 v1(1191,540)
NewNet82: U7.84 | length 202.1
  TopLayer w6: U7.84@1333,2202.17 1521.17,2202.17 v1@1531,2212
  other v1: 1527.91,2212.55
NewNet83: R68.2 U7.81 | length 283.6
  TopLayer w6: R68.2@1197,2328 1231,2328 1280.06,2278.94 1401.06,2278.94 1421,2259 v1@1452,2259
  other v1: 1449.99,2258.8
NewNet84: U1.6 U2.6 U3.6 U6.13 U7.80 U9.9 U11.26 | length 10857.8
  TopLayer w6: U9.9@468,2654 468,2609 517,2560 956,2560 999,2517 1216,2517 1232,2501 1232,2433 1254,2411 1254,2326 1275.47,2304.53 1404.47,2304.53 1414,2295 1502,2295 1524,2273 v1@1532,2273 ; U3.6@3115,661 3162,661 3172,671 3172,730 3215,773 3282,773 v1(3284,771) ; v1(3383,1638) 3408,1613 U6.13@3534,1613 ; v1(4623,637) 4645,659 U1.6@4693,659 4758,659 v1(4765,652) ; v1(4910,2584) 4942.18,2551.82 U11.26@4981,2551.82 ; v1(5416,660) 5417,659 U2.6@5485,659
  MidLayer2 w10: v1(1665,1806) 1706,1765 2200,1765 2223,1742 2488,1742 2640,1590 3216,1590 3227,1579 3332,1579 v1@3392,1639 ; v1@3287,771 3287,716 3217,646 3217,552 3419,350 4660,350 4692,382 4692,573 v1@4629,636 ; v1@4768,650 4768,649 4741,622 4741,384 4775,350 5353,350 5460,457 5460,616 v1(5416,660)
  BottomLayer w6: v1(1527.91,2273.8) 1533.33,2279.21 1613.74,2279.21 1692.91,2200.05 1692.91,1903.38 1659.99,1870.46 1659.99,1811.01 v1(1665,1806) ; v1(3284,771) 3284,778.64 3312.49,807.13 3312.49,910.46 3382.91,980.88 3382.91,1637.91 v1(3383,1638) ; v1(4765,652) 4774.45,652 4903.74,781.3 4903.74,1729.21 4957.91,1783.38 4957.91,2091.71 4979.99,2113.8 4979.99,2522.55 4918.54,2584 v1(4910,2584)
NewNet85: R121.2 U7.78 U14.6 | length 1765.8
  TopLayer w6: U7.78@1333,2355.72 1408.28,2355.72 1432,2332 v1@1440,2332 ; v1(1802,3349) 1823,3328 U14.6@1877,3328 ; v1(1945,3076) 2024,3076 R121.2@2051,3049
  MidLayer2 w10: v1@1809,3350 1766,3307 1766,3210 1897,3079 v1@1952,3079
  BottomLayer w6: v1(1436.66,2332.13) 1436.66,2337.13 1395.83,2377.96 1395.83,2621.51 1857.91,3083.59 1937.41,3083.59 v1(1945,3076)
NewNet86: R132.2 R146.1 U7.77 U13.4 U13.10 | length 2662.7
  TopLayer w6: U7.77@1333,2381.31 1414.69,2381.31 1425,2371 1456,2371 1498,2329 v1@1509,2329 ; v1@1997.08,3320.05 1997.08,3319.63 2023.74,3292.96 2087.91,3292.96 2104.87,3276 U13.10@2141,3276 ; R146.1@2038,3569 2039.99,3570.99 v1@2039.99,3625.05 ; U13.4@2343,3226 2387.2,3226 2412,3250.8 v1(2412,3263)
  MidLayer2 w10: v1@2002,3324 2022,3304 2377,3304 v1@2416,3265
  BottomLayer w6: v1(1503.33,2328.8) 1497.08,2328.8 1469.99,2301.71 1413.74,2301.71 1379.58,2335.88 1379.58,2624.63 1768.74,3013.8 1768.74,3096.71 1997.49,3325.46 1997.49,3585.46 2039.58,3627.55 v1(2041.24,3627.55)
  other v1: 1998.33,3324.63
NewNet87: C2.2 U3.5 U6.12 U7.76 U9.8 U11.24 | length 7456.7
  TopLayer w6: U9.8@518,2654 518,2608 551,2575 960,2575 1004,2531 1225,2531 1248,2508 1248,2438 1279.1,2406.9 1414.1,2406.9 1435,2386 v1@1507,2386 ; U3.5@3115,611 3257,611 v1(3268,622) ; v1(3451,1661) 3453,1663 U6.12@3534,1663 ; v1(4892,2493) 4899.64,2500.64 U11.24@4981,2500.64
  MidLayer2 w10: v1(1712,1853) 1712,1852 1776,1788 2210,1788 2232,1766 2501,1766 2652,1615 3179,1615 3246,1682 3438,1682 3458,1662 3501,1619 3660,1619 3681,1640 4209,1640 4346,1777 4688,1777 4734,1731 4780,1731 v1@4806,1705
  BottomLayer w6: v1(1503.33,2385.88) 1530.83,2385.88 1705.83,2210.88 1705.83,1859.17 v1(1712,1853) ; v1(3268,622) 3268,704.3 3327.08,763.38 3327.08,902.55 3396.66,972.13 3396.66,1595.05 3451,1649.39 v1(3451,1661) ; v1(4803.54,1702.96) 4803.54,1929.84 4845.83,1972.13 4845.83,2040.05 4935.41,2129.63 4935.41,2449.59 v1(4892,2493)
NewNet88: R89.1 U1.16 U6.11 U7.75 U9.3 | length 7770.8
  TopLayer w6: U9.3@768,2654 768,2608 788,2588 967,2588 1010,2545 1232,2545 1262,2515 1262,2448 1277.51,2432.49 1333,2432.49 1448.51,2432.49 v1@1455,2426 ; U6.11@3534,1713 3574.96,1713 3625.96,1662 v1(3629,1662) ; v1(4094,581) 4122,609 U1.16@4167,609 ; v1(4842.08,2607.96) 4842.08,2611.3 4867,2636.22 R89.1@4867,2667
  MidLayer2 w10: v1(1772,1855) 1772,1854 1813,1813 2221,1813 2245,1789 2510,1789 2662,1637 3164,1637 3233,1706 3473,1706 3516,1663 4193,1663 4331,1801 4697,1801 4743,1755 4839,1755 v1(4840,1756)
  MidLayer2 w30: v1@4408,1812 v1@4408,1820
  BottomLayer w6: v1(1449.16,2427.13) 1454.58,2432.55 1529.58,2432.55 1567.91,2394.21 1567.91,2367.55 1721.24,2214.21 1721.24,1902.96 1769.21,1855 v1(1772,1855) ; v1(4094,581) 4091.36,581 4056.04,545.67 4056.04,503.59 4079.16,480.46 4118.74,480.46 4173.33,535.05 4173.33,1027.13 4419.58,1273.38 4419.58,1802.55 v1(4402.08,1820.05) ; v1(4840,1756) 4840,1760.89 4860.83,1781.71 4860.83,2034.21 4952.08,2125.46 4952.08,2503.38 4924.99,2530.46 4893.33,2530.46 4842.08,2581.71 v1(4842.08,2607.96)
NewNet89: U7.74 U10.21 | length 2392.1
  TopLayer w6: U7.74@1333,2458.08 1405.08,2458.08 1432,2485 v1@1439,2485 ; v1(3468.33,2380.05) 3534.95,2380.05 U10.21@3537,2378
  MidLayer2 w10: v1@1439,2485 1464,2485 1520,2429 1531,2429 1628,2332 2309,2332 2403,2426 2467,2426 2492,2401 2913,2401 2972,2342 3127,2342 3185,2400 3455,2400 v1@3475,2380
  other v1: 1436.24,2485.88
NewNet90: C44.2 R33.2 U7.73 | length 3020.1
  TopLayer w6: C44.2@1212,2580 1260,2580 v1(1274,2566) 1274,2560 1333,2501 U7.73@1333,2483.67 ; v1(2949.99,1870.88) 2949.99,1869.63 3005.83,1813.8 3174.8,1813.8 R33.2@3175,1814
  MidLayer2 w10: v1(1274,2566) 1301,2566 1400,2665 2771,2665 2808,2628 2953,2628 v1@2971,2610
  BottomLayer w6: v1(2949.99,1870.88) 2949.99,1876.3 2844.16,1982.13 2844.16,2421.3 2929.58,2506.71 2929.58,2578.38 2961.2,2610 v1(2965,2610)
NewNet91: U5.16 U7.1 | length 2003.3
  TopLayer w6: U5.16@987,1220 987,1084 v1(990,1081) ; U7.1@2533,1588 2533,1555 2543,1545 v1@2556,1545
  MidLayer2 w10: v1(990,1081) 1044,1027 1843,1027 2280,1464 2328,1464 2409,1545 v1@2556,1545
  other v1: 2548.74,1543.38
NewNet92: U5.45 U7.2 | length 1666.5
  TopLayer w6: U5.45@1587,623 1587,725 1605,743 v1@1613,743 ; U7.2@2533,1613.59 2600.41,1613.59 2619,1595 2619,1532 2584,1497 v1@2584,1490
  MidLayer2 w10: v1@1613,743 1613,763 2289,1439 2338,1439 2420,1521 2513,1521 2544,1490 v1@2584,1490
  other v1: 1608.74,743.8 2577.49,1489.63
NewNet93: U5.1 U7.3 | length 1008
  TopLayer w6: U5.1@1737,1220 1824,1220 1864,1180 v1@1871,1180 ; v1@2442,1593 2442,1602 2479.18,1639.18 U7.3@2533,1639.18
  MidLayer2 w10: v1@1871,1180 1960,1180 2269,1489 2321,1489 2425,1593 v1@2442,1593
  other v1: 1867.49,1180.46 2434.16,1592.13
NewNet94: pad.2@2380.41,1718.38 U7.4 U8.11 | length 2431.3
  TopLayer w6: U8.11@436,1422 436,1488 v1(438,1490) ; v1@2442,1653 2453.77,1664.77 U7.4@2533,1664.77
  MidLayer2 w10: v1(438,1490) 439,1490 495,1434 923,1434 1022,1533 1265,1533 1423,1691 1666,1691 1701,1656 1962,1656 1997,1691 2166,1691 2187,1670 2425,1670 v1@2442,1653
  BottomLayer w6: pad.2@2380.41,1718.38 2380.41,1717.55 2435.41,1662.55 v1(2435.41,1652.96)
NewNet95: U7.5 | length 200
  TopLayer w6: v1@2388,1626 2380,1634 2380,1655 2415.36,1690.36 U7.5@2533,1690.36
  other v1: 2382.49,1624.63
NewNet96: U7.6 | length 169.6
  TopLayer w6: U7.6@2533,1715.95 2686.95,1715.95 v1@2698,1727
  other v1: 2694.58,1725.46
NewNet97: U7.7 U9.12 | length 2410.4
  TopLayer w6: U9.12@468,2128 468,2170 504,2206 v1(526,2206) ; v1@2219,2005 2219,1988 2465.46,1741.54 U7.7@2533,1741.54
  MidLayer2 w10: v1(962,2055) 965,2055 1036,1984 1322,1984 1423,2085 1607,2085 1632,2060 2164,2060 v1@2219,2005
  BottomLayer w6: v1(526,2206) 528.62,2206 642.08,2092.55 928.74,2092.55 962,2059.29 v1(962,2055)
  other v1: 2214.99,2005.05
NewNet98: U6.8 U7.8 | length 1701.2
  TopLayer w6: U7.8@2533,1767.13 2601.87,1767.13 2609,1760 2715,1760 2863,1612 2863,1557 v1@2872,1548 ; U6.8@3909,1613 3970,1613 v1(3993,1590)
  MidLayer2 w10: v1@2872,1548 2880,1556 3366,1556 3405,1595 3994,1595 v1@3997,1592
  other v1: 2865,1546
NewNet99: U3.17 U7.9 | length 1573.2
  TopLayer w6: v1(2514,539) 2536,561 U3.17@2589,561 ; U7.9@2533,1792.72 2635.72,1792.72 v1@2639,1796
  BottomLayer w6: v1(2514,539) 2514,545.72 2583.74,615.46 2583.74,960.05 2620.83,997.13 2620.83,1223.38 2725.41,1327.96 2725.41,1419.21 2671.24,1473.38 2671.24,1656.71 2635.41,1692.55 v1(2635.41,1795.88)
NewNet100: U3.4 U7.10 | length 2157
  TopLayer w6: U7.10@2533,1818.31 2599.31,1818.31 2613,1832 2659,1832 2693,1798 v1@2701,1798 ; v1(3009,981) 3009,613 3061,561 U3.4@3115,561
  MidLayer2 w10: v1@2590,1027 2593,1027 2616,1004 2995,1004 v1@3016,983
  BottomLayer w6: v1(2584,1027) 2584,1032.39 2604.58,1052.96 2604.58,1227.55 2709.79,1332.76 2709.79,1413.17 2656.45,1466.51 2656.45,1651.09 2593.74,1713.8 2593.74,1824.21 2612.08,1842.55 2656.66,1842.55 2696.66,1802.55 v1(2696.66,1797.55)
NewNet101: U7.11 | length 385.4
  TopLayer w6: U7.11@2533,1843.91 2597.9,1843.91 2607,1853 2824,1853 2852,1825 v1@2903,1825
  other v1: 2897.49,1825.05
NewNet102: U7.12 U12.18 | length 2952.7
  TopLayer w6: U12.18@771,2915 v1(771,2993) ; v1@2224,2063 2224,2056 2257,2023 2257,1970 2357.5,1869.5 U7.12@2533,1869.5
  MidLayer2 w10: v1(580,2768) 580,2769 771,2960 v1(771,2993) ; v1(1070,2114) 1072,2114 1111,2075 1186,2075 1206,2095 1357,2095 1434,2172 1555,2172 1643,2084 2203,2084 v1@2224,2063
  BottomLayer w6: v1(580,2768) 584.96,2772.96 625.83,2772.96 1067.08,2331.71 1067.08,2116.92 v1(1070,2114)
  other v1: 2220.83,2062.96
NewNet103: U7.13 | length 341.3
  TopLayer w6: v1@2303,2029 2295,2021 2295,1953 2352.91,1895.09 U7.13@2533,1895.09
  other v1: 2298.33,2029.63
NewNet104: U2.8 U7.14 | length 4685.4
  TopLayer w6: v1@2336,1972 2336,1966 2381.32,1920.68 U7.14@2533,1920.68 ; v1@5406,759 U2.8@5485,759
  MidLayer2 w10: v1@2336,1972 2353,1955 2537,1955 2577,1995 2844,1995 2874,2025 2912,2025 2948,1989 4287,1989 4313,2015 4359,2015 4387,1987 4752,1987 4785,2020 4816,2020 4878,1958 5016,1958 5079,2021 5183,2021 5256,1948 5256,1088 5459,885 5459,812 5407,760 v1(5405,760)
  other v1: 2333.33,1972.13
NewNet105: Q28.1 U7.15 U13.9 U13.13 | length 2146.7
  TopLayer w6: U13.13@2141,3126 2185.53,3126 2212.91,3153.38 v1(2214.58,3153.38) 2193.33,3174.63 2193.33,3492.67 Q28.1@2192,3494 ; U13.9@2141,3326 2192.37,3326 ; v1@2385,2006 2385,1999 2437.73,1946.27 U7.15@2533,1946.27
  BottomLayer w6: v1(2214.58,3153.38) 2221.24,3160.05 2244.99,3160.05 2312.08,3092.96 2312.08,2728.38 2475.83,2564.63 2475.83,2472.13 2537.49,2410.46 2537.49,2034.21 2465.83,1962.55 2424.99,1962.55 v1(2381.66,2005.88)
NewNet106: U7.16 U10.19 U13.1 | length 3091.8
  TopLayer w6: v1(2270.83,3075.88) 2342.88,3075.88 U13.1@2343,3076 ; v1@2446,1993 2446,1990 2464.14,1971.86 U7.16@2533,1971.86 ; U10.19@3537,2478 3578.78,2478 3612.49,2511.71 v1(3615.83,2511.71)
  MidLayer2 w10: v1@2446,1993 2471,2018 2830,2018 2859,2047 2922,2047 2957,2012 3382,2012 3503,2133 v1@3561,2133
  BottomLayer w6: v1(2270.83,3075.88) 2279.16,3075.88 2297.91,3057.13 2297.91,2720.46 2399.16,2619.21 2399.16,2527.13 2520.41,2405.88 2520.41,2080.46 2442.08,2002.13 v1(2442.08,1996.71) ; v1(3556,2133) 3562.08,2139.08 3562.08,2464.63 3609.16,2511.71 v1(3615.83,2511.71)
NewNet107: U2.17 U7.19 | length 4428.6
  TopLayer w6: v1@2387,2067 2387,2057 2395.37,2048.63 U7.19@2533,2048.63 ; U2.17@4959,559 5037,559 v1(5039,557)
  MidLayer2 w10: v1@2387,2067 2413,2041 2820,2041 2852,2073 2930,2073 2967,2036 3162,2036 3235,2109 3415,2109 3479,2173 3592,2173 3631,2134 4139,2134 4143,2130 4325,2130 4382,2073 v1(4420,2073) ; v1(4348,1145) 4348,1144 4419,1073 4716,1073 4960,829 4960,636 v1(5039,557)
  BottomLayer w6: v1(4348,1145) 4348,1152.64 4434.16,1238.8 4434.16,2058.84 v1(4420,2073)
  other v1: 2382.08,2066.71
NewNet108: U2.4 U7.20 | length 4891.1
  TopLayer w6: v1@2448,2086 2459.78,2074.22 U7.20@2533,2074.22 ; U2.4@5485,559 5533,559 v1(5569,523)
  MidLayer2 w10: v1@2448,2086 2494,2086 2614,2206 2647,2206 2698,2155 2742,2155 2808,2221 3610,2221 3650,2181 3856,2181 3902,2227 4081,2227 4153,2155 4334,2155 4372,2117 4753,2117 4792,2078 4882,2078 4922,2118 5120,2118 5280,1958 5280,1102 5614,768 5614,568 v1(5569,523)
  other v1: 2442.49,2087.13
NewNet109: R21.2 U7.21 | length 2879.2
  TopLayer w6: U7.21@2533,2099.81 2628.81,2099.81 v1@2630,2101 ; v1(4279,1395) 4433.28,1395 4472.49,1434.21 4549.79,1434.21 R21.2@4551,1433
  MidLayer2 w10: v1@2630,2101 2632,2101 2668,2065 2737,2065 2847,2175 3320,2175 3362,2133 3406,2133 3471,2198 3600,2198 3641,2157 3901,2157 v1@3922,2178
  BottomLayer w6: v1(3916.24,2178.38) 3911.24,2178.38 3827.08,2094.21 3827.08,2015.88 3866.24,1976.71 3968.74,1976.71 4248.33,1697.13 4248.33,1431.3 4279,1400.62 v1(4279,1395)
  other v1: 2626.66,2100.88
NewNet110: U3.8 U7.22 | length 2503.4
  TopLayer w6: v1@2386,2127 2387.6,2125.4 U7.22@2533,2125.4 ; U3.8@3115,761 3162,761 3215,814 v1(3238,814)
  MidLayer2 w10: v1@2681,1393 2699,1375 3225,1375 v1@3245,1395
  BottomLayer w6: v1(2382.49,2127.13) 2378.33,2131.3 2339.16,2131.3 2254.16,2046.3 2254.16,1933.38 2348.74,1838.8 2446.66,1838.8 2643.74,1641.71 2643.74,1427.96 2674.16,1397.55 v1(2674.16,1392.13) ; v1(3237.91,1394.21) 3237.91,814.09 v1(3238,814)